# Allegro board board_orcad.brd (continued)
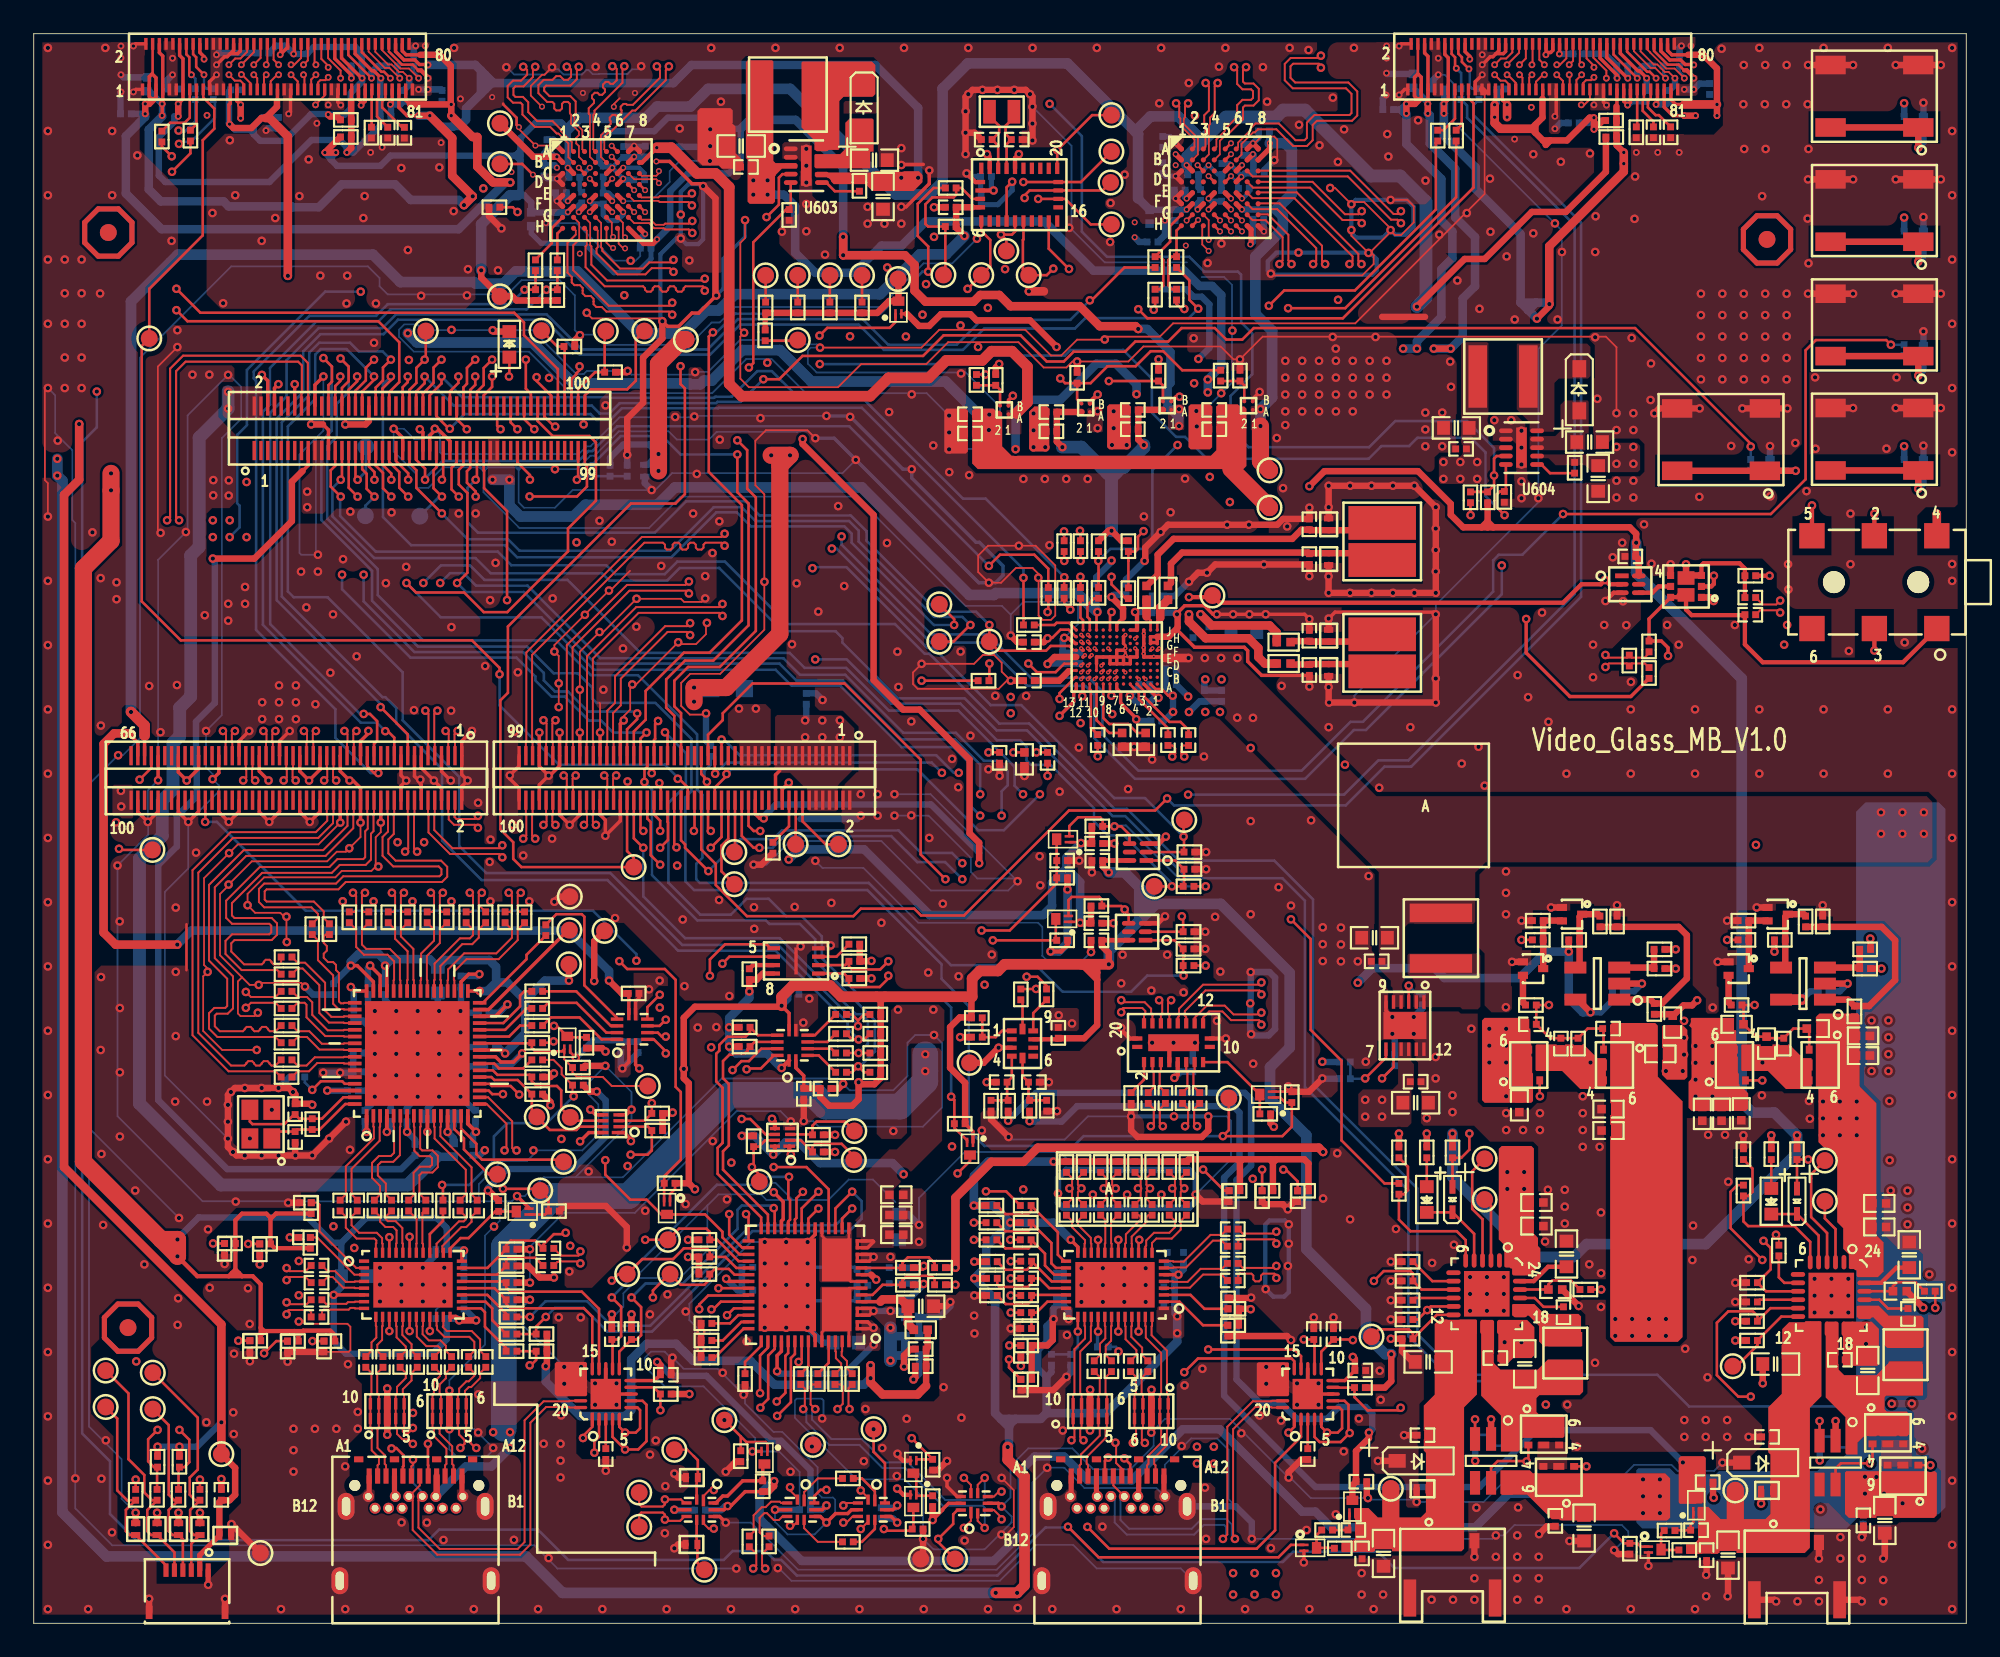
[diagram p0: board, top side]
## Routing (per net, layer and track width the routed paths; a pad name or vN(x,y) marks a point on that pad's centre or on a via; arc(x,y) is an arc through that point) (continued)
  ART03 w0.102: 66.82,83.17 v2(67.05,83.17) ; 66.82,83.17 65.86,83.17 65.58,83.44 64.9,83.44 64.72,83.26 64.72,82.8 v1(63.8,81.89) ; 66.82,83.17 65.43,81.78 63.92,81.78 v1(63.8,81.89) ; v1(74.97,81.26) 76.04,81.26 76.5,81.73 76.5,84.74 v1(76.85,85.09) 77.95,86.19 80.7,86.19 80.8,86.29 80.8,86.46 v1(80.3,86.95) 80.8,87.45 80.8,87.7 80.7,87.8 78.69,87.8 78.15,88.35 78.15,91.15 78.89,91.9 v5(80.19,91.9) 80.28,91.8 v5(83.26,91.8) 83.28,91.78 85.84,91.78 v5(85.86,91.8) ; v1(74.97,81.26) 73.65,81.26 73.33,80.94 v1(73.33,80.01) 77.08,76.26 v1(79.54,76.26) 86.61,76.26 87.65,77.29 v1(87.79,77.29) 87.79,77.43 90.17,79.82 v1(90.17,82.99) v5(90.17,88.6) ; v1(74.97,81.26) 74.97,80.92 75.26,80.63 75.26,80.08 76.87,78.46 v1(77.32,78.46) ; v1(31.8,22.38) 31.8,22.64 33.01,23.85 34.72,23.85 35.03,23.54 36.06,23.54 ; v1(49.3,12.7) 49.3,12.96 49.09,13.17 47.21,13.17 46.9,12.86 46.9,12.31 v1(46.74,12.14) ; 41.41,57.5 39.85,55.94 v1(39.85,53.94) 38.73,53.94 38.58,54.09 38.58,54.57 ; 41.41,57.5 38.86,57.5 38.58,57.77 ; 41.41,57.5 44.03,57.5 v1(46.51,59.97) v1(50.58,64.04) 53.33,66.8 53.33,69.82 v1(53.32,69.82) 53.33,69.83 53.33,73.32 55.67,75.67 v1(55.98,75.67) 58.88,75.67 59.51,76.3 60.79,76.3 61.85,75.24 v1(61.85,74.8) 61.85,74.77 62.26,74.36 66.1,74.36 v1(66.67,74.93) 66,74.93 64.99,75.94 64.99,78.24 65.32,78.57 69.33,78.57 69.52,78.38 69.52,75.94 70.07,75.38 71.05,75.38 v1(71.5,74.93) 72.21,75.64 72.21,80.7 72.92,81.41 v2(72.92,82.51) ; v1(19.84,52.9) 19.24,53.5 18.11,53.5 17.93,53.32 17.93,52.45 19.82,50.56 19.82,49.84 21.3,48.37 24.1,48.37 24.56,47.91 24.56,46.02 27.07,43.52 v1(27.07,42.8) ; 38.58,54.57 38.45,54.44 35.43,54.44 34.97,53.98 v1(34.97,53.53) 35.27,53.23 35.27,45.75 35.74,45.28 35.74,42.53 35.18,41.97 34.63,41.97 v1(34.46,41.8) 34.29,41.97 33,41.97 32.32,42.65 32.32,46.03 31.77,46.59 v1(31.77,47.33) ; 38.58,54.57 38.58,57.77 ; 36.53,69.65 36.73,69.85 37.49,69.85 37.77,69.57 37.77,67.62 v1(34.26,64.12) 30.9,60.76 v1(30.76,60.76) 29.19,59.19 19.34,59.19 19.14,58.98 v1(19.14,57.32) 19.14,57.25 19.43,56.97 24.03,56.97 ; 36.53,69.65 36.39,69.78 36.39,74.71 36.13,74.98 36.13,77.89 35.29,78.73 v1(35.01,78.73) 35.05,78.77 36.49,78.77 37.23,79.51 37.23,81.37 37.95,82.09 v1(38.35,82.09) 38.52,81.93 41.98,81.93 42.16,82.12 v1(42.16,83.19) 42.16,91.39 v1(40.16,93.4) 38.57,91.81 36.54,91.81 36.04,92.31 v1(36.01,92.31) 35.51,91.81 28.37,91.81 28.01,92.16 v1(28.01,92.25) 24.69,92.25 v5(23.37,90.93) ; 36.53,69.65 36.53,67.82 36.63,67.72 v1(36.63,67.18) ; 86.14,89.12 86.39,88.87 86.92,88.87 v5(87.34,89.29) ; 86.14,89.12 86.14,83.76 86.35,83.55 v1(86.35,82.49) 86.18,82.32 v1(83.32,82.32) 80.7,82.32 v1(80.43,82.59) ; 86.14,89.12 86.11,89.15 86.11,90.25 86.28,90.42 87.15,90.42 87.34,90.24 v5(87.34,90.02) ; v1(24.89,83.72) 25.17,83.44 26.85,83.44 27.59,82.69 v1(27.72,82.69) 27.72,82.26 27.91,82.07 29.42,82.07 v2(30.36,83.01) 30.62,83.27 32.57,83.27 v2(32.96,83.66) ; v1(24.89,83.72) 24.48,83.31 v1(19.54,83.31) v1(14.32,83.31) 14.29,83.28 10.92,83.28 v1(10.59,83.61) 10.31,83.89 10.31,88.36 10.36,88.41 10.27,88.5 v5(10.27,89.4) ; v1(24.89,83.72) 24.89,84.14 25.82,85.06 v1(26.65,85.06) 26.95,85.06 29.47,87.59 v2(31.01,87.59) 31.4,87.98 35.2,87.98 v2(35.59,87.59) 35.88,87.88 37.22,87.88 37.36,87.73 37.36,87.25 36.91,86.79 v2(36.91,86.66) ; v1(51.2,10.05) 51.2,10.01 50.72,9.53 50.72,6.5 51.18,6.05 v1(51.18,5.97) ; 84.96,77.93 84.38,78.51 77.37,78.51 v1(77.32,78.46) ; 84.96,77.93 v1(85.7,77.93) 86.7,77.93 88.89,80.12 v1(88.89,82.4) v1(88.89,87.09) 88.89,89.76 v5(88.77,89.87) ; 84.96,77.93 84.63,77.6 77.8,77.6 77.32,78.08 v1(77.32,78.46) ; 30.89,80.49 30.61,80.21 v1(27.52,80.21) ; 30.89,80.49 31.4,81 32.17,81 v2(32.37,81.2) 32.42,81.2 33.76,82.54 36.06,82.54 v2(36.24,82.36) ; 30.89,80.49 30.89,76.99 31.45,76.43 32.31,76.43 v1(32.37,76.36) 32.44,76.43 32.7,76.43 33.89,75.23 v1(33.89,72.2) 33.89,67.52 30,63.62 28.13,63.62 v1(27.38,62.87) 25.69,61.18 21.35,61.18 v1(20.87,61.66) 17.6,61.66 v1(16.16,60.22) 16.16,55.02 v1(16.7,54.48) 17.27,54.48 17.58,54.79 24.05,54.79 v1(24.74,54.1) 24.8,54.16 26.03,54.16 26.73,53.46 26.73,51.38 27.84,50.27 v1(28.22,50.27) ; 38.87,28.74 35.7,25.56 31.15,25.56 29.11,23.52 v1(27.28,23.52) 19.79,23.52 19,22.73 v1(19,22.25) 18.52,22.25 v1(15.71,19.45) 15.63,19.53 14.11,19.53 13.73,19.15 13.73,17.69 15.05,16.37 v1(15.05,15.51) 15.2,15.36 v1(18.63,15.36) 26.49,15.36 28.47,17.35 28.47,21.26 29.39,22.17 v1(29.41,22.17) 29.41,22.37 31.63,24.59 36.11,24.59 v1(36.25,24.46) 37.75,25.96 37.75,26.35 38.4,27 40.88,27 41.19,27.31 v1(41.35,27.31) 41.56,27.52 42.86,27.52 43.61,28.27 46.1,28.27 47.26,29.44 50.7,29.44 v1(50.95,29.18) 51.21,29.44 56.62,29.44 57.55,30.36 v1(60.66,30.36) ; 38.87,28.74 38.98,28.74 ; 38.87,28.74 38.93,28.79 ; v1(57.58,80.28) 57.58,80.47 ; 57.58,80.47 58.01,80.9 60.67,80.9 60.82,80.75 62.81,80.75 63.8,81.74 v1(63.8,81.89) ; 57.58,80.47 57.58,80.51 57.19,80.9 52.9,80.9 49.58,77.58 49.58,69.93 48.73,69.08 v1(48.73,68.97) 48.19,68.97 41.3,62.08 v1(39.8,62.08) 39.57,62.31 38.7,62.31 38.06,61.67 38.06,58.3 v1(38.2,58.16) 38.58,57.77 ; v5(24.15,87.78) 24.28,87.91 26.12,87.91 28.12,89.91 v2(30.13,89.91) 30.73,89.91 30.93,89.72 34.2,89.72 v2(34.39,89.9) 34.57,89.72 39.35,89.72 40.1,88.98 v1(40.1,88.57) ; v1(27.23,10.39) 26.71,10.92 26.71,11.6 26.9,11.8 28.55,11.8 29.71,10.64 v1(30.23,10.64) ; v1(77.05,18.14) 78.43,18.14 78.73,17.83 78.73,16.57 78.45,16.28 77.33,16.28 76.16,15.1 v1(76.16,14.22) ; v1(83.1,32.3) 83.1,31.73 82.06,30.69 82.06,25.48 82.65,24.9 87.32,24.9 v1(89.59,22.63) ; v1(25.74,80.27) 25.74,80.43 26,80.69 27.05,80.69 v1(27.52,80.21) ; v1(25.74,80.27) 25.67,80.21 24.83,80.21 23.66,81.38 22.21,81.38 v1(22.18,81.41) 21.64,81.96 v1(13.51,81.96) v1(8.17,81.96) ; v1(25.74,80.27) 25.74,79.99 26.01,79.73 27.04,79.73 v1(27.52,80.21) ; v1(38.86,80.79) 40.01,80.79 40.63,81.41 43.26,81.41 v1(44.35,82.5) ; 28.29,30.69 28.99,30 34.66,30 35.11,30.45 v1(35.43,30.45) 33.91,31.98 32.09,31.98 31.56,31.45 30.34,31.45 29.58,30.69 28.29,30.69 ; 28.29,30.69 28.29,31.72 ; 28.29,31.72 27.42,32.59 27.42,33.96 28.12,34.67 29.55,34.67 30.68,33.53 v1(32.13,33.53) 32.13,32.96 31.29,32.13 28.7,32.13 28.29,31.72 ; v1(32.37,52.81) v1(32.37,55.35) 32.41,55.39 32.41,56.44 32.81,56.84 34.66,56.84 34.93,57.1 v1(34.93,57.79) 35.54,58.4 35.54,58.9 v1(35.72,59.08) ; v5(25.29,90.37) 25.39,90.47 v2(27.17,90.47) 27.17,90.57 27.52,90.91 32.36,90.91 v2(32.55,90.72) 32.83,90.72 33.03,90.93 35.43,90.93 v2(35.64,90.72) 36.88,90.72 37.02,90.86 40.08,90.86 v1(40.73,90.21) 40.77,90.21 41.19,89.78 41.19,84.4 40.38,83.59 38.43,83.59 v1(38.35,83.52) ; v5(25.29,90.37) 25.32,90.35 25.32,89.33 24.95,88.96 20.44,88.96 v5(19.41,89.99) 18.37,88.96 15.64,88.96 v5(15.11,89.48) 16.02,90.39 16.93,90.39 17.3,90.02 v5(17.46,90.02) ; v5(25.29,90.37) 25.1,90.56 24.68,90.56 23.93,89.81 21.84,89.81 21.62,90.04 v5(21.14,90.04) ; 38.98,28.74 38.98,28.84 ; 38.98,28.74 38.93,28.79 ; 38.98,28.74 40.09,28.74 v1(40.25,28.59) 40.42,28.41 42.2,28.41 43.15,29.36 44.49,29.36 v1(44.88,29.75) 44.26,30.36 40.5,30.36 38.98,28.84 ; v1(22.45,42.8) 22.44,42.81 22.44,43.77 21.35,44.86 v1(20.43,44.86) 19.34,45.94 v1(18.7,45.94) 18.38,46.27 16.59,46.27 16.13,45.82 16.13,43.74 15.67,43.28 13.93,43.28 13.77,43.44 13.77,47.32 v1(13.96,47.51) 14.14,47.69 14.75,47.69 16.32,49.26 v1(16.32,49.96) ; v1(26.34,48.64) 25.85,48.15 25.85,46.32 27.03,45.14 v1(27.03,45.14) 27.06,45.14 27.37,44.83 28.15,44.83 29.45,43.53 29.45,42.88 v1(29.38,42.8) 29.18,42.61 29.18,37.06 26.49,34.37 26.49,29.95 26.74,29.7 v1(26.74,28.04) ; v1(68.83,34.42) 65.05,30.63 v1(65.05,30.05) ; 45,8.54 45.08,8.47 47.14,8.47 47.48,8.12 47.48,6.32 47.13,5.97 v1(46.99,5.97) ; 45,8.54 44.66,8.54 43.89,7.78 43.89,6.78 v1(43.94,6.73) ; 45,8.54 44.67,8.88 41.13,8.88 ; v1(43.33,17.52) 43.07,17.52 v1(42.26,16.7) 41.35,15.8 41.35,14.66 39.73,13.03 38.47,13.03 38.1,13.4 38.1,14.81 v1(39.55,16.26) 40.05,16.26 41.64,17.84 41.64,21.05 40.47,22.22 40.35,22.22 39.44,23.12 ; v2(67.69,85.79) 64.75,85.79 v1(64.66,85.88) 61.54,85.88 60.37,84.71 ; v1(53.37,82.19) 53.77,81.79 55.62,81.79 v1(55.91,82.08) ; v1(53.37,82.19) 53.3,82.26 52.5,82.26 50.62,80.38 v1(50.6,80.38) 48.39,78.17 v1(48.39,76.3) 48.39,76.29 v1(48.39,71.52) 48.39,70.51 42.81,64.93 42.81,64.92 41.23,63.34 40.35,63.34 v1(40.23,63.45) ; v1(53.37,82.19) 53.9,82.73 55.58,82.73 55.91,82.39 v1(55.91,82.08) ; 61.33,82.78 59.56,82.78 58.62,81.83 56.61,81.83 56.36,82.08 v1(55.91,82.08) ; 61.33,82.78 61.31,82.8 61.31,83.75 61.95,84.39 63.64,84.39 v1(63.83,84.2) 64.05,84.41 67.64,84.41 v2(67.69,84.46) ; 61.33,82.78 v1(61.38,82.73) ; 38.98,28.84 38.93,28.79 ; v1(51.59,15.21) 51.8,15.43 51.8,18.59 51.38,19 49.6,19 49.3,18.7 49.3,15.75 48.9,15.34 48.9,14.4 49.24,14.06 51.76,14.06 v1(52.15,14.45) ; 11.76,84.84 11.76,87.81 11.65,87.92 v1(11.62,87.92) 11.62,87.94 12.27,88.59 v5(12.27,89.22) ; 11.76,84.84 v1(11.94,84.66) 11.99,84.61 v1(15.75,84.61) v1(19.61,84.61) 22.34,84.61 v1(24.04,86.31) 26.37,86.31 v2(28.76,88.7) 28.9,88.84 37.95,88.84 38.18,88.62 v1(38.29,88.62) 38.37,88.62 38.64,88.35 38.64,86.05 37.58,84.98 36.85,84.98 36.47,85.35 35.33,85.35 34.99,85.01 34.99,84.36 v2(34.94,84.31) ; 11.76,84.84 11.18,85.43 11.18,89.61 11.59,90.02 v5(12.27,90.02) ; v1(8.17,81.96) 7.63,82.49 7.63,84.47 9.13,85.97 9.13,90.46 8.23,91.36 v5(8.23,91.8) ; v1(8.17,81.96) 3.54,81.96 v1(0.84,84.66) ; v1(31.45,14.2) 31.38,14.26 30.45,14.26 29.89,14.82 29.89,16.3 30.85,17.26 30.85,19.3 30.26,19.88 30.26,20.72 30.78,21.24 31.3,21.24 31.69,20.85 v1(31.75,20.85) 32.38,20.22 32.38,16.62 31.45,15.69 v1(31.45,15.2) ; v1(58.51,15.26) 58.93,15.68 58.96,15.65 66.94,15.65 69.42,18.14 v1(75.88,18.14) 75.88,19.02 74.98,19.91 74.98,27.2 71.58,30.61 70.18,30.61 v1(69.62,30.05) ; v1(22.24,74.89) 22.72,75.38 22.72,77.9 21.17,79.45 21.14,79.45 19.47,81.12 12.63,81.12 11.52,80.01 v1(11.52,74.01) ; v1(46.33,70.26) 46.99,70.92 v1(46.99,71.58) 47.11,71.69 47.11,75.13 v1(46.61,75.63) 47.11,76.12 47.11,78.95 51.13,82.97 v1(51.43,82.97) ; 41.13,8.88 v1(41.02,8.98) 41.02,7.76 40.65,7.39 40.65,6.73 41.02,6.36 v1(41.02,5.97) 41.75,6.7 41.75,8.25 41.13,8.88 ; v1(12.77,52.9) 12.27,52.4 12.01,52.4 10.6,50.99 v1(10.6,50.04) 10.72,49.92 10.72,48.54 11.56,47.71 v1(11.56,47.51) 11.09,47.04 11.09,41.92 12.2,40.81 17.09,40.81 18.31,42.04 v1(18.31,42.8) ; v1(52.76,20.12) 51.02,20.12 50.79,19.88 49.36,19.88 49.1,20.15 49.1,22.38 49.43,22.71 52.38,22.71 v1(52.48,22.62) ; 29.62,54.96 29.62,55.46 v1(28.7,56.38) 28.33,56.75 v1(26.76,56.75) ; 29.62,54.96 29.74,54.83 29.74,53.07 29.97,52.84 v1(29.97,52.81) ; 29.62,54.96 28.78,55.8 27.39,55.8 26.76,56.42 v1(26.76,56.75) ; v1(72.14,38.61) 73.1,38.61 73.43,38.28 73.43,35.31 73.05,34.92 v1(72.16,34.92) ; v1(65.23,51.96) 64.19,51.96 61.69,54.46 61.69,55.26 61.93,55.5 64.47,55.5 v1(64.97,54.99) 64.57,54.59 64.57,53.4 64.92,53.05 66.89,53.05 67.53,53.69 v1(67.53,54.03) ; v1(70.4,81.79) 70.4,80.15 69.78,79.53 64.72,79.53 64.09,78.9 64.09,76.4 63.8,76.11 v1(63.48,76.11) 62.69,76.11 61.21,77.58 59.38,77.58 58.59,76.79 55.08,76.79 v1(54.94,76.94) 54.84,76.85 54.84,76.29 52.04,73.5 v1(52.04,72.86) v1(52.04,68.42) 52.04,67.66 46.04,61.65 v1(45.22,61.65) 42.7,59.13 40.09,59.13 v1(39.9,59.31) ; v1(35.73,60.74) 35.73,62.74 38.78,65.79 v1(39.09,65.79) 39.29,65.79 42.22,68.72 42.22,70.59 v1(43.08,71.45) 43.74,72.11 43.74,74.48 v1(43.48,74.73) 43.79,75.04 43.79,79.8 43.35,80.24 41.95,80.24 40.46,78.75 v1(40.46,78.71) ; v1(56.49,32.08) 56.49,30.93 55.94,30.38 46.26,30.38 v1(45.64,29.77) ; 36.06,23.54 37.7,23.54 38.64,24.48 38.64,25.85 38.99,26.2 39.92,26.2 40.19,25.93 40.19,24.48 v1(43.33,21.33) ; 36.06,23.54 35.15,22.64 v1(35.15,22.28) ; v1(79.79,14.97) 80.29,14.97 80.95,15.63 80.95,16.36 v1(80.44,16.87) ; v1(11.12,8.55) 11.12,9.85 11.64,10.37 11.64,12.16 11.4,12.4 10.72,12.4 v1(10.24,11.91) 9,13.15 9,23.53 8.61,23.92 v1(8.61,24.03) ; v1(35.43,18.31) v1(36.53,18.31) 36.62,18.31 37.91,19.6 37.91,22.87 38.38,23.34 39.22,23.34 39.44,23.12 ; v1(67.56,34.42) 67.49,34.42 61.9,28.83 61.9,27.36 61.42,26.87 59.74,26.87 v1(57.78,28.83) ; v1(64.79,69.85) 64.79,69.81 65.23,69.37 66.04,69.37 66.34,69.67 66.34,70.51 66.01,70.85 v1(64.01,70.85) ; 12.27,49.43 12.79,48.91 12.79,42.69 v1(12.67,42.57) 13.06,42.19 16.11,42.19 18.31,44.39 19.29,44.39 20.14,43.54 v1(20.14,42.8) ; 12.27,49.43 12.16,49.43 11.95,49.64 11.95,50.16 12.83,51.03 13.68,51.03 15.17,52.53 v1(15.17,52.9) ; 12.27,49.43 13.39,49.43 v1(13.92,49.96) ; 24.02,56.96 24.03,56.97 ; 24.03,56.97 26.54,56.97 v1(26.76,56.75) ; 16.31,86.84 14.38,86.84 13.77,87.45 v5(13.77,88.49) ; 16.31,86.84 17.09,87.63 19.41,87.63 19.84,87.2 v5(19.97,87.2) 19.97,86.94 19.7,86.67 16.47,86.67 16.31,86.84 ; v1(33.57,52.81) 33.62,52.86 33.62,55.2 v1(33.77,55.35) 34.08,55.66 v1(35.48,55.66) 36.09,55.66 36.96,56.52 36.96,62.44 v1(37.2,62.68) 37.2,62.71 38.03,63.54 38.85,63.54 v1(40.64,65.33) ; v2(68.29,81.68) 66.85,81.68 65.78,80.6 64.05,80.6 63.02,79.58 63.02,79.57 62.18,78.73 59.61,78.73 59.38,78.96 v1(58.99,78.96) 58.82,78.8 58.82,78.5 58.18,77.85 56.69,77.85 v1(56.56,77.98) 56.37,78.17 56.37,79.44 56.12,79.69 55,79.69 52.88,77.58 v1(52.68,77.58) 52.68,77.37 51.7,76.38 v1(51.7,76.28) 50.56,75.14 50.56,71.95 v1(50.7,71.81) 50.52,71.62 50.52,69.06 v1(47.69,66.23) 43.31,61.85 v1(43.31,61.74) 43.2,61.74 42.06,60.61 41.3,60.61 41,60.91 39.96,60.91 v1(39.8,60.76) ; v1(47.24,40.19) 46.88,40.19 45,38.31 41.96,38.31 41.85,38.21 41.85,36.94 41.96,36.84 42.93,36.84 43.28,37.19 45.04,37.19 45.19,37.03 v1(45.97,37.03) 46.57,37.03 47.21,37.68 50.7,37.68 51.78,38.76 51.78,39.9 51.49,40.19 v1(47.24,40.19) ; v1(47.24,40.19) 47.61,40.56 47.79,40.56 49.87,42.64 49.99,42.51 58.27,42.51 60.76,40.03 62.44,40.03 v1(62.67,39.79) 62.13,39.25 60.11,39.25 ; v1(30.73,46.52) 30.38,46.52 29.73,47.16 29.73,49.14 29.31,49.56 29.31,51.55 28.49,52.37 28.49,54.21 27.91,54.8 26.84,54.8 25.57,56.07 17.86,56.07 v1(17.58,56.35) 17.34,56.59 17.34,59.42 v1(17.74,59.81) 17.74,59.88 17.99,60.13 26.53,60.13 v1(27.05,60.65) 28.46,62.06 30.23,62.06 v1(33.54,65.36) 35.18,67.01 v1(35.18,69.27) 35.18,74.22 v1(35.2,74.24) 35.2,76.97 34.61,77.57 32.91,77.57 v1(32.78,77.69) 32.74,77.69 32.27,78.17 32.27,79.44 32.63,79.8 34.41,79.8 v1(35.38,80.78) ; v1(36.47,37.58) 35.58,37.58 35.47,37.47 31.52,37.47 31.22,37.77 31.22,38.65 31.32,38.75 35.88,38.75 38.09,40.97 38.09,41.35 v1(38.47,41.72) 38.47,42.39 41.06,44.97 v1(42.67,44.97) 43.54,45.85 45.26,45.85 45.91,45.2 v1(46.33,45.2) 46.33,44.96 44.74,43.37 41.11,43.37 v1(40.62,42.88) 40.13,42.38 40.13,41.48 37.1,38.45 v1(37.1,38.1) ; v1(15.71,21.48) v1(17.76,23.53) 19.04,24.81 28.27,24.81 28.65,25.19 v1(28.65,25.32) 29.17,25.32 30.37,26.53 34.63,26.53 v1(35.2,27.11) 35.97,27.11 40.24,31.38 47.38,31.38 v1(47.98,31.98) 48.51,31.45 52.35,31.45 54.91,34.02 v1(54.91,34.75) 55.62,34.75 57.98,37.11 63.64,37.11 v1(64.46,37.94) ; v5(18.83,91.6) 19.24,91.19 22.56,91.19 v5(22.81,90.93) ; v5(87.78,87.99) 87.78,81.43 87.38,81.03 v1(87.31,81.03) 87.1,81.24 84.74,81.24 84.39,80.89 v1(84.39,79.6) 84.27,79.48 80.25,79.48 79.68,80.05 79.68,80.68 v1(79.12,81.24) ; 82.5,88.67 v1(82.5,85.53) 82.5,85.32 81.94,84.76 80.81,84.76 v1(80.43,84.38) ; 82.5,88.67 83.69,88.67 84.07,89.05 84.07,90.27 83.74,90.6 v5(80.93,90.6) 80.93,89.36 81.19,89.1 v1(82.06,89.1) 82.5,88.67 ; v1(23.77,70.82) 22.37,69.41 8.07,69.41 3.93,65.27 1.18,65.27 v1(0.84,65.61) ; v1(42.6,10.19) 41.83,10.19 39.88,12.14 36.69,12.14 35.87,12.95 v1(34.54,12.95) ; v1(37.86,15.75) 37.82,15.79 37.82,17.74 39.44,19.36 39.44,23.12 ; v1(31.23,10.64) 32.36,11.78 35.28,11.78 37.97,9.08 v1(37.97,8.87) ; v1(24.33,19.08) 26.75,19.08 27.03,18.8 27.03,17.96 25.72,16.65 17.73,16.65 16.49,17.89 v1(15.71,17.89) ; v1(37.26,77.19) 37.51,76.95 37.51,74.05 37.77,73.78 38.84,73.78 39.21,74.15 v1(39.21,74.17) 39.53,73.85 40.63,73.85 41.01,73.48 41.01,72.1 40.45,71.54 v1(39.16,71.54) 39.16,68.29 v1(39.3,68.14) 39.3,67.59 34.1,62.39 v1(34.1,61.22) ; v1(52.72,5) 52.72,4.52 53.07,4.16 53.7,4.16 54.08,4.54 54.08,8.56 v1(54.14,8.62) ; J502.2 71.12,9.68 71.12,10.72 70.54,11.3 v1(66.24,11.3) ; 60.71,57.45 58.57,57.45 58.06,56.95 57.4,56.95 56.85,56.39 56.24,56.39 56.03,56.59 56.03,57.45 56.54,57.96 57.71,57.96 57.91,58.17 v1(57.91,58.56) 58.3,58.56 58.72,58.98 60.53,58.98 v1(61.09,58.42) 62,58.42 62.31,58.12 62.31,57.56 61.63,56.88 v4(61.06,56.88) 61.06,57.1 60.71,57.45 ; 45.64,55.37 46.12,55.37 v1(46.76,54.74) 47.35,54.74 48.31,53.77 48.31,52.22 45.92,49.83 v1(44.75,49.83) 44.75,54.48 45.64,55.37 ; 55.91,68.94 58.48,68.94 v1(59.26,69.72) 59.23,69.72 58.85,70.1 55.7,70.1 55.22,69.62 55.91,68.94
  ART03 w0.122: v1(40.64,65.33) 40.92,65.33 43.22,67.62 ; v1(46.33,70.26) 46.33,70.02 44.68,68.37 43.96,68.37 43.22,67.62 ; v1(33.88,33.05) 34.74,32.19 39.34,32.19 39.47,32.31 46.11,32.31 47.29,33.49 47.29,35.53 48.3,36.54 50.99,36.54 v1(53.03,38.58) 55.99,41.54 57.82,41.54 60.11,39.25 ; 43.22,67.62 43.22,69.53 44.81,71.13 44.81,82.04 v1(44.35,82.5)
  ART03 w0.152: v1(92.43,56.08) v1(89.79,53.44) v1(86,49.66) 85.88,49.53 v1(79.76,49.53) 79.63,49.66 65.07,49.66 v1(64.87,49.45) 64.67,49.66 62.13,49.66 58.95,52.83 57.86,52.83 57.35,53.34 57.35,55.32 v1(57.91,55.88)
  ART03 w0.203: v1(51.02,47.88) 51.02,47.59 47.43,44 46.64,44 v1(45.11,42.47) 42.09,42.47 38.63,39.01 38.63,37.83 v1(38.57,37.77) 38.57,37.51 37.57,36.5 v1(37.11,36.5) 36.68,36.07 36.68,35.46 36.88,35.26 37.62,35.26 39.45,37.08 39.45,38.79 40.91,40.25 41.79,40.25 v1(42.71,41.17) 44.44,41.17 44.81,41.53 46.11,41.53 v1(47.28,42.71) 52.02,47.45 v1(52.02,47.89) v1(52.02,53.47) 53.14,54.59 53.14,56.53 52.8,56.88 v1(52.63,56.88) v1(51.26,55.51) 51.09,55.35 51.09,49.34 51.02,49.27 v1(51.02,49.15) ; v1(85.64,51.96) v1(88.58,54.9) 91.69,58.01 v1(92.43,58.01) 93.62,58.01 ; v1(85.64,51.96) v1(84.65,50.97) 84.58,50.9 v1(77.72,50.9) 77.65,50.83 69.93,50.83 v1(69.37,51.38) 68.81,50.83 66.67,50.83 v1(66.29,51.21) 65.91,50.83 62.64,50.83 61.95,51.51 v1(61.95,51.92) 61.87,51.92 v1(57.91,55.88) ; v1(85.64,51.96) v1(65.23,51.96) ; v1(75.62,55.53) 75.62,55.22 76.25,54.58 v1(76.78,54.58) v1(78.28,54.58) v1(83.11,54.58) 84.4,54.58 90.42,60.6 v1(93.17,60.6) v1(99.58,60.6) 100.26,61.29 v1(104.01,61.29) 104.37,60.93 104.37,59.61 v1(103.94,59.18) ; v1(103.94,59.18) 108.94,59.18 109.73,58.39 109.73,57 109.58,56.85 108.91,56.85 108.12,57.64 v1(107.59,57.64) 107.22,58.01 v1(103.76,58.01) v1(97.51,58.01) 93.62,58.01 ; v1(103.94,59.18) v1(100.84,59.18) v1(96.82,59.18) v1(93.09,59.18) 90.93,59.18 v1(87.96,56.21) 84.87,53.12 v1(81.6,53.12) v1(76.76,53.12) 69.2,53.12 68.48,53.85 v1(68.48,54.03) ; 93.62,58.01 93.89,57.74 93.89,56.43 93.55,56.08 v1(92.43,56.08)
  ART03 w0.254: v1(53.37,83.95) 53.44,83.88 59.88,83.88 60.37,84.36 60.37,86.31 59.88,86.8 58.69,86.8 v1(58.39,87.1)
  ART03 w0.381: v1(75.62,55.53) 70.84,55.53 v1(70.41,55.96) v1(68.48,54.03) ; v1(51.02,49.15) v1(51.02,47.88)
  ART05 w0.102: 56.29,9.37 57.07,8.58 57.6,8.58 59.25,6.93 J502.1 ; v1(58.39,63.88) 57.15,63.88 56.03,62.76 56.03,62.27 v1(56.62,61.69) ; 23.83,10.34 23.88,10.39 23.88,10.85 ; 23.83,10.34 23.65,10.16 22.05,10.16 21.03,11.18 21.95,11.18 22.02,11.1 23.62,11.1 23.88,10.85 ; 23.83,10.34 24.38,9.78 26.42,9.78 26.75,10.11 26.75,10.72 25.96,11.51 v1(24.64,11.51) 24.54,11.51 23.88,10.85 ; 36.97,39.74 43.95,39.74 45.97,37.71 v1(45.97,37.03) ; 36.97,39.74 35.87,38.64 32.79,38.64 32.54,38.4 ; 36.97,39.74 33.56,39.74 32.54,38.71 32.54,38.4 ; v1(24.64,13.79) 29.84,13.79 31.86,11.77 35.59,11.77 38.53,14.71 40.91,14.71 v1(42.08,13.55) 42.69,14.16 43.21,14.16 43.64,13.73 49.03,13.73 49.3,13.46 v1(49.3,12.7) 49.51,12.49 51.33,12.49 54.14,9.69 v1(54.14,9.62) ; v1(62.61,11.43) 62.94,11.1 62.94,9.78 63.35,9.37 65.33,9.37 66.34,10.39 66.34,11.2 v1(66.24,11.3) 66.57,11.63 69.49,11.63 73.06,15.2 v1(73.06,15.2) 73.06,15.32 v1(75.88,18.14) 75.88,18.22 80.92,23.27 v1(80.92,29.03) ; v1(45.64,29.77) 44.9,29.77 v1(44.88,29.75) ; v1(76.38,32.3) 76.38,32.25 78.08,30.56 78.08,24.92 v1(74.35,21.18) 74.35,20.09 68.1,13.84 v1(66.26,13.84) ; v1(93.68,4.33) 93.68,4.36 94.67,5.35 94.67,8.53 95.17,9.04 99.62,9.04 v1(100.1,9.53) ; v1(58.32,0.9) 58.76,1.34 58.76,2.04 58.53,2.27 56.81,2.27 56.57,2.02 v1(56.57,0.84) ; 32.54,38.4 32.54,33.94 v1(32.13,33.53) ; J502.2 66.34,4.9 v1(55.18,4.9) 54.84,4.9 54.48,4.54 53.17,4.54 v1(52.72,5) 52.62,5 52.54,5.08 44.3,5.08 44.09,5.28 41.71,5.28 v1(41.02,5.97) 41.02,5.59 40.49,5.05 37.8,5.05 33.91,8.94 v1(33.91,9.04) ; v1(72.2,5) 71.72,5.49 69.97,5.49 v1(69.49,5) 69.49,5 69.98,4.52 71.72,4.52 v1(72.2,5) ; 44.1,3.5 43.84,3.76 42.09,3.76 41.65,3.32 v1(41.65,3.24) 41.71,3.24 42.19,2.77 43.88,2.77 44.1,2.99 v1(44.1,3.27) 44.1,3.5
  ART05 w0.381: v1(20.95,11.18) 21.03,11.18 ; v1(26.09,0.84) v1(29.9,0.84) v1(33.71,0.84) v1(37.52,0.84) v1(41.33,0.84) v1(45.14,0.84) v1(48.95,0.84) v1(52.76,0.84) v1(56.57,0.84) v1(60.38,0.84) v1(64.19,0.84) v1(68,0.84) v1(71.81,0.84) v1(75.62,0.84) v1(79.43,0.84) ; v1(87.94,1.4) v1(85.4,1.4) v1(84.13,1.4) v1(82.86,1.4)
  ART05 w0.508: v1(82.86,1.4) 82.3,0.84 v1(79.43,0.84)
  ART06 w0.102: v5(80.93,90.6) 83.79,90.6 84.02,90.37 84.02,89.28 83.85,89.1 v1(82.06,89.1) 81.17,89.1 80.39,89.88 80.39,90.37 v5(80.16,90.6) ; v1(90.52,86.64) 89.62,85.74 86.42,85.74 v1(86.32,85.64) 86.24,85.72 83.54,85.72 83.34,85.53 v1(82.5,85.53) 82.33,85.69 77.96,85.69 77.31,86.35 v1(77.31,86.64) 76.33,87.62 v1(76.22,87.62) v1(75,88.83) 74.96,88.83 74.68,89.11 69.1,89.11 v1(68.83,89.38) ; v1(60.17,32.08) 60.17,32.46 54.82,37.81 v1(54.82,38.35) 54.82,38.61 50.72,42.71 40.79,42.71 v1(40.62,42.88) 40.62,47.2 39.97,47.85 35.43,47.85 34.64,48.64 v1(26.34,48.64) 26.34,49.34 v1(25.72,49.96) v1(24.72,49.96) v1(23.72,49.96) 22.97,49.96 v1(22.92,50.01) 22.92,51.31 21.34,52.89 21.34,55.06 21.85,55.58 23.78,55.58 24.74,54.62 v1(24.74,54.1) 23.93,53.29 23.93,52.12 24.69,51.36 26.62,51.36 27.72,50.27 v1(28.22,50.27) ; v1(60.17,32.08) 58.9,32.08 57.3,30.47 57.3,29.27 57.73,28.83 v1(57.78,28.83) ; v1(60.17,32.08) 60.17,30.85 v1(60.66,30.36) 60.66,28.83 61.19,28.3 61.19,26.67 60.72,26.2 v1(60.72,25.48) ; 41.53,48.1 41.53,44.37 42.03,43.88 50.94,43.88 56.36,38.46 v1(56.36,37.86) 56.36,37.74 61.89,32.22 61.89,31.16 66.8,26.24 66.8,25.46 v1(66.84,25.42) 66.84,24.98 65.05,23.19 59.61,23.19 54.54,28.27 v1(54.43,28.27) 54.91,28.75 v1(54.91,34.75) 51.15,38.52 51.15,39.46 50.42,40.19 v1(47.24,40.19) ; 41.53,48.1 41.53,50.61 41.24,50.9 28.85,50.9 v1(28.22,50.27) ; 41.53,48.1 40.48,49.15 36.01,49.15 35.53,49.64 28.62,49.64 28.22,50.04 v1(28.22,50.27) ; v1(58.32,0.9) 58.75,1.33 58.75,2.01 58.47,2.29 56.84,2.29 56.57,2.02 v1(56.57,0.84) ; v5(92.48,90.02) 92.02,89.55 92.02,85.52 89.55,83.05 82.64,83.05 81.3,84.38 v1(80.43,84.38) 78.36,84.38 v1(78.11,84.13) 77.84,84.13 73.83,88.14 72.62,88.14 72.27,87.79 v2(72.27,87.74) ; v5(12.27,89.22) 12.27,88.94 11.83,88.5 11.83,88.02 10.56,86.75 10.56,83.64 v1(10.59,83.61) 10.59,83.16 11.8,81.96 v1(13.51,81.96) 13.72,82.16 27.19,82.16 v1(27.72,82.69) ; v1(7.52,64.64) 5.86,64.64 5.37,65.13 5.37,67.99 6.43,69.04 13.45,69.04 15.47,67.02 15.47,63.95 16.07,63.35 v1(16.85,63.35) 16.94,63.44 16.94,68.52 12.06,73.4 12.06,73.64 11.7,74.01 v1(11.52,74.01) ; 66.85,78.28 66.85,77.56 ; 67.8,77.49 67.78,77.51 67.78,78.29 ; 58.32,42.42 60.1,40.64 60.15,40.64 61,39.79 v1(62.67,39.79) ; 58.32,42.42 v1(58.32,43.99) 58.32,45.17 56.99,46.49 53.15,46.49 v1(53.08,46.56) 48.03,46.56 v1(44.75,49.83) 44.58,49.83 43.68,50.73 43.68,51.48 ; 58.32,42.42 58.32,41.08 60.13,39.27 62.15,39.27 v1(62.67,39.79) ; v1(26.65,85.06) 26.65,85.12 26.76,85.23 26.76,86.11 29.54,88.89 32.36,88.89 33.42,89.95 34.55,89.95 ; v1(26.65,85.06) 25.81,85.06 24.89,84.15 v1(24.89,83.72) 25.1,83.52 25.76,83.52 26.59,84.35 26.59,85.01 v1(26.65,85.06) ; 60.38,44.6 60.38,45.69 58.65,47.42 55.87,47.42 54.8,48.49 51.63,48.49 v1(51.02,47.88) ; 60.38,44.6 60.43,44.55 61.11,44.55 64.01,41.66 v1(64.01,41.5) ; 60.38,44.6 60.38,41.99 61.37,41 63.5,41 v1(64.01,41.5) ; 25.3,91.21 26.59,92.51 27.71,92.51 27.97,92.25 v1(28.01,92.25) ; 25.3,91.21 23.9,89.81 22.4,89.81 ; 25.3,91.21 25.3,90.37 ; 29.18,87.12 29.18,82.3 29.03,82.15 28.16,82.15 27.72,82.59 v1(27.72,82.69) ; 29.18,87.12 27.76,85.7 27.76,83.46 27.72,83.42 v1(27.72,82.69) ; 29.18,87.12 29.72,87.66 32.86,87.66 32.96,87.55 v2(32.96,86.29) ; v1(69.62,30.05) 69.22,30.05 66.29,32.97 v1(66.29,34.42) 66.25,34.46 v1(66.25,37.51) 66.25,39.83 64.57,41.5 v1(64.01,41.5) ; 34.55,89.95 36.01,91.4 v1(36.01,92.31) ; 34.55,89.95 34.6,89.9 35.19,89.9 35.94,89.16 35.94,87.93 35.6,87.59 v2(35.59,87.59) 35.59,87.48 34.94,86.83 v2(34.94,86.29) ; v1(75.88,18.14) 78.36,20.62 78.36,23.62 v1(78.03,23.95) 78.36,24.28 78.36,33.93 79.37,34.94 v1(80.53,34.94) ; v1(32.45,15.2) 32.51,15.14 35.33,15.14 35.64,14.83 37.62,14.83 37.86,15.08 v1(37.86,15.75) 37.82,15.75 37.62,15.95 33.2,15.95 v1(32.45,15.2) ; v1(32.45,15.2) 32.43,15.2 31.88,15.75 29.13,15.75 28.85,15.47 28.85,14.91 29.01,14.76 30.63,14.76 31.07,15.2 v1(31.45,15.2) ; v1(64.46,37.94) 64.93,37.47 64.93,35.77 v1(64.46,35.3) ; v1(64.46,37.94) 64.46,39.09 63.76,39.79 v1(62.67,39.79) ; v1(64.46,37.94) 63.87,37.34 63.87,35.9 v1(64.46,35.3) ; v1(54.14,9.62) 54.14,10.15 50.13,14.16 ; v1(60.76,36.04) 60.76,37.25 56.96,41.05 56.96,44.82 56.21,45.57 54.56,45.57 54.16,45.18 52.31,45.18 51.92,45.57 47.12,45.57 46.75,45.2 ; v1(60.76,36.04) 60.76,35.4 62.92,33.24 62.92,31.41 66.31,28.03 67.5,28.03 68.87,26.65 v1(68.87,25.42) ; v1(60.76,36.04) 60.25,36.04 56.79,39.5 v1(56.79,39.64) 56.65,39.64 53.89,42.4 v1(53.89,42.66) 51.34,45.2 46.75,45.2 ; v1(30.23,10.64) 30.23,10.92 29.08,12.06 25.2,12.06 v1(24.64,11.51) ; v1(43.33,17.52) 41.19,17.52 40.64,18.07 40.64,18.81 40.13,19.32 40.13,20.95 43.3,24.13 43.3,31.31 43.7,31.7 43.7,35.1 41.38,37.42 41.38,39.4 41.75,39.77 44.92,39.77 45.28,40.13 v1(45.46,40.13) ; 25.3,90.37 25.3,89.34 24.91,88.95 22.61,88.95 22.37,89.19 22.37,89.79 22.4,89.81 ; 25.3,90.37 v5(25.29,90.37) ; v5(87.34,89.29) 86.92,88.87 86.31,88.87 86.16,89.03 86.16,90.47 86.31,90.63 87.15,90.63 87.34,90.44 v5(87.34,90.02) ; 22.4,89.81 21.9,89.81 21.67,90.04 v5(21.14,90.04) 20.8,90.04 20.51,89.76 20.51,87.64 v5(20.65,87.5) 20.65,87.23 20.19,86.77 16.91,86.77 16.74,86.94 16.74,87.58 16.92,87.76 19.41,87.76 v5(19.97,87.2) ; v1(24.64,11.51) 26.12,11.51 v1(27.23,10.39) 26.72,9.88 24.84,9.88 24.64,10.08 v1(24.64,11.51) ; 43.68,51.48 43.68,54.45 43.06,55.08 40.66,55.08 ; 43.68,51.48 41.22,53.94 v1(39.85,53.94) ; v1(51.2,10.05) 51.14,9.98 50.39,9.98 49.02,11.35 45.14,11.35 44.58,11.92 44.58,15.08 44.26,15.4 43.04,15.4 42.16,14.53 42.16,13.63 v1(42.08,13.55) ; v1(26.74,28.04) 28.39,29.69 29.99,29.69 v1(32.89,26.79) 33.16,26.52 33.16,23.55 34.44,22.28 v1(35.15,22.28) ; v1(64.46,35.3) 64.46,33.18 v1(67.59,30.05) ; v1(41.02,5.97) 41.02,5.59 40.54,5.11 38.28,5.11 37.97,5.41 v1(37.97,6.73) ; v1(37.1,38.1) 38.09,38.1 40.34,35.85 41.36,35.85 42.75,34.45 42.75,32.27 42.45,31.98 42.45,28.62 41.3,27.46 41.3,27.02 39.27,25 39.27,21.24 36.35,18.31 v1(35.43,18.31) ; 50.13,14.16 50.01,14.05 49.4,14.05 45.93,17.52 v1(45.87,17.52) ; 50.13,14.16 50.13,15.56 49.73,15.95 49.53,15.95 49,16.48 49,19.02 49.66,19.68 52.35,19.68 52.76,20.09 v1(52.76,20.12) ; v1(40.16,93.4) 39.99,93.56 25.08,93.56 v1(24.92,93.4) 24.92,92.48 v5(23.37,90.93) ; v1(52.48,23.62) 50.83,25.27 50.83,26.82 51.13,27.13 52.63,27.13 54.71,25.04 54.71,22.23 55.5,21.44 v1(55.75,21.44) ; 40.66,55.08 39.85,54.27 v1(39.85,53.94) ; 40.66,55.08 39.8,55.94 38.73,55.94 38.34,55.55 38.34,54.53 ; v1(68.47,91.31) 68.93,90.86 70.17,90.86 70.96,90.06 72.97,90.06 v1(73.11,90.21) 73.27,90.05 75.66,90.05 77.14,88.56 v1(77.67,88.56) 77.67,87.99 78.71,86.95 v1(80.3,86.95) 80.48,86.95 80.71,86.73 88.53,86.73 v1(88.89,87.09) 90.17,88.37 v5(90.17,88.6) v5(90.17,89.34) ; v1(52.89,79.39) 41.13,79.39 v1(40.46,78.71) ; 42.67,49.26 42.51,49.1 42.51,45.14 v1(42.67,44.97) 43.47,44.97 43.66,44.78 45.91,44.78 v1(46.33,45.2) ; 42.67,49.26 46.33,45.6 v1(46.33,45.2) ; 42.67,49.26 42.51,49.42 42.51,51.06 41.75,51.82 39.34,51.82 36.67,54.49 35.61,54.49 34.71,53.59 31.96,53.59 v1(31.17,52.81) ; v1(63.07,72.85) 62.71,72.49 58.32,72.49 v1(58.04,72.77) 57.56,73.25 52.73,73.25 50.14,70.66 36.63,70.66 35.23,69.27 v1(35.18,69.27) 35.18,68.2 36.2,67.18 v1(36.63,67.18) 44.22,67.18 46.01,68.97 v1(48.73,68.97) ; v1(33.31,92.27) 32.55,91.52 v2(32.55,90.72) 32.1,90.27 29.66,90.27 29.35,89.96 28.58,89.96 24.93,86.31 v1(24.04,86.31) 24.04,85.45 22.99,84.4 15.42,84.4 13.77,86.05 v5(13.77,88.49) ; v1(30.72,92.25) 30.36,92.25 29.9,91.79 29.79,91.79 29,91 27.7,91 v2(27.17,90.47) 27.17,89.8 25.23,87.86 24.23,87.86 v5(24.15,87.78) 23.98,87.78 22.48,86.27 v1(21.79,86.27) 21.22,85.71 15.42,85.71 14.76,86.37 14.76,88.16 15.11,88.51 v5(15.11,89.48) ; v1(80.23,88.29) 80.57,88.29 81.04,87.82 87.62,87.82 v5(87.78,87.99) 87.78,88.24 88.49,88.95 88.49,89.59 v5(88.77,89.87) ; v1(46.76,54.74) 46.12,55.37 44.51,55.37 42.88,57 30.16,57 ; v1(50.02,49.15) 50.02,52.44 47.68,54.79 45.44,54.79 44.85,54.19 44.85,51.62 47.32,49.15 v1(49.02,49.15) ; v1(15.05,15.51) 16.29,15.51 17.51,16.73 25.73,16.73 29.19,20.19 v1(29.41,20.19) 29.59,20.02 31.34,20.02 31.75,20.42 v1(31.75,20.85) ; v1(13.92,49.96) 13.92,51.43 12.96,52.38 10.73,52.38 v1(10.21,52.9) 10.21,54.46 13.38,57.63 25.25,57.63 27.1,55.77 37.09,55.77 38.34,54.53 ; v1(74.4,22.5) 76.99,25.1 76.99,31.7 v1(76.38,32.3) 76.55,32.3 77.01,32.77 77.01,34.29 74.68,36.63 73.36,36.63 73.23,36.75 v1(72.11,36.75) ; 38.34,54.53 38.93,53.94 v1(39.85,53.94) ; v1(46.33,45.2) 46.75,45.2 ; v5(22.81,90.93) 22.23,90.93 22.01,91.15 20.08,91.15 19.41,90.47 v5(19.41,89.99) ; v1(43.94,6.73) 41.43,9.25 41.43,10.71 40.21,11.93 40.21,13.56 39.57,14.2 34.82,14.2 34.8,14.22 v1(34.54,14.22) ; v5(18.2,90) 18.2,89.47 17.65,88.93 17.2,88.93 16.94,89.18 16.94,89.5 v5(17.46,90.02) ; v1(62.72,44.52) 63.37,43.87 64.36,43.87 64.62,44.12 64.62,45.67 v1(64.06,46.23) 63.25,47.04 61.75,47.04 61.47,46.76 61.47,45.72 v1(61.98,45.21) ; v1(38.35,82.09) 38.51,81.94 43.9,81.94 44.35,82.39 v1(44.35,82.5) 44.54,82.5 46.42,80.62 49.07,80.62 49.95,81.5 55.33,81.5 v1(55.91,82.08) ; 25.62,58.8 25.45,58.62 12.83,58.62 9.82,55.62 v1(8.49,55.62) 8.79,55.32 8.79,51.9 9.88,50.81 9.88,50.76 v1(10.6,50.04) ; v1(45.97,37.03) 45.19,37.03 44.79,37.44 44.12,37.44 43.71,37.03 43.71,36.32 44.43,35.61 v1(45.62,35.61) ; v1(64.81,25.42) 64.81,25.22 63.83,24.24 60.13,24.24 v1(58.66,25.72) 56.21,28.17 56.21,31.34 56.49,31.63 v1(56.49,32.08) 56.04,32.53 56.04,35.27 53.03,38.29 v1(53.03,38.58) 52.12,39.49 52.12,39.78 50.36,41.53 v1(50.25,41.53) 50.08,41.53 49.84,41.29 42.83,41.29 v1(42.71,41.17) 39.02,41.17 v1(38.47,41.72) 34.57,41.72 33.88,42.41 v1(33.88,46.69) ; 43.83,2.72 42.11,2.72 41.65,3.18 v1(41.65,3.24) 41.65,3.27 42.09,3.71 43.89,3.71 44.1,3.5 v1(44.1,3.27) 44.1,2.99 43.83,2.72 ; 27.04,79.73 v1(27.52,80.21) 27.04,80.69 26.01,80.69 25.74,80.43 v1(25.74,80.27) 25.74,79.99 26.01,79.73 27.04,79.73 ; 64.97,10.19 64.69,10.46 64.69,11.02 64.97,11.3 v1(66.24,11.3) 66.32,11.23 66.32,10.36 66.14,10.19 64.97,10.19 ; 60.91,10.69 61.26,10.34 62.46,10.34 62.74,10.62 62.74,11.3 v1(62.61,11.43) v1(61,11.43) 60.91,11.34 60.91,10.69